# Altium PCB PCB_Amplifier.PcbDoc (part 1 of 2) (continued)
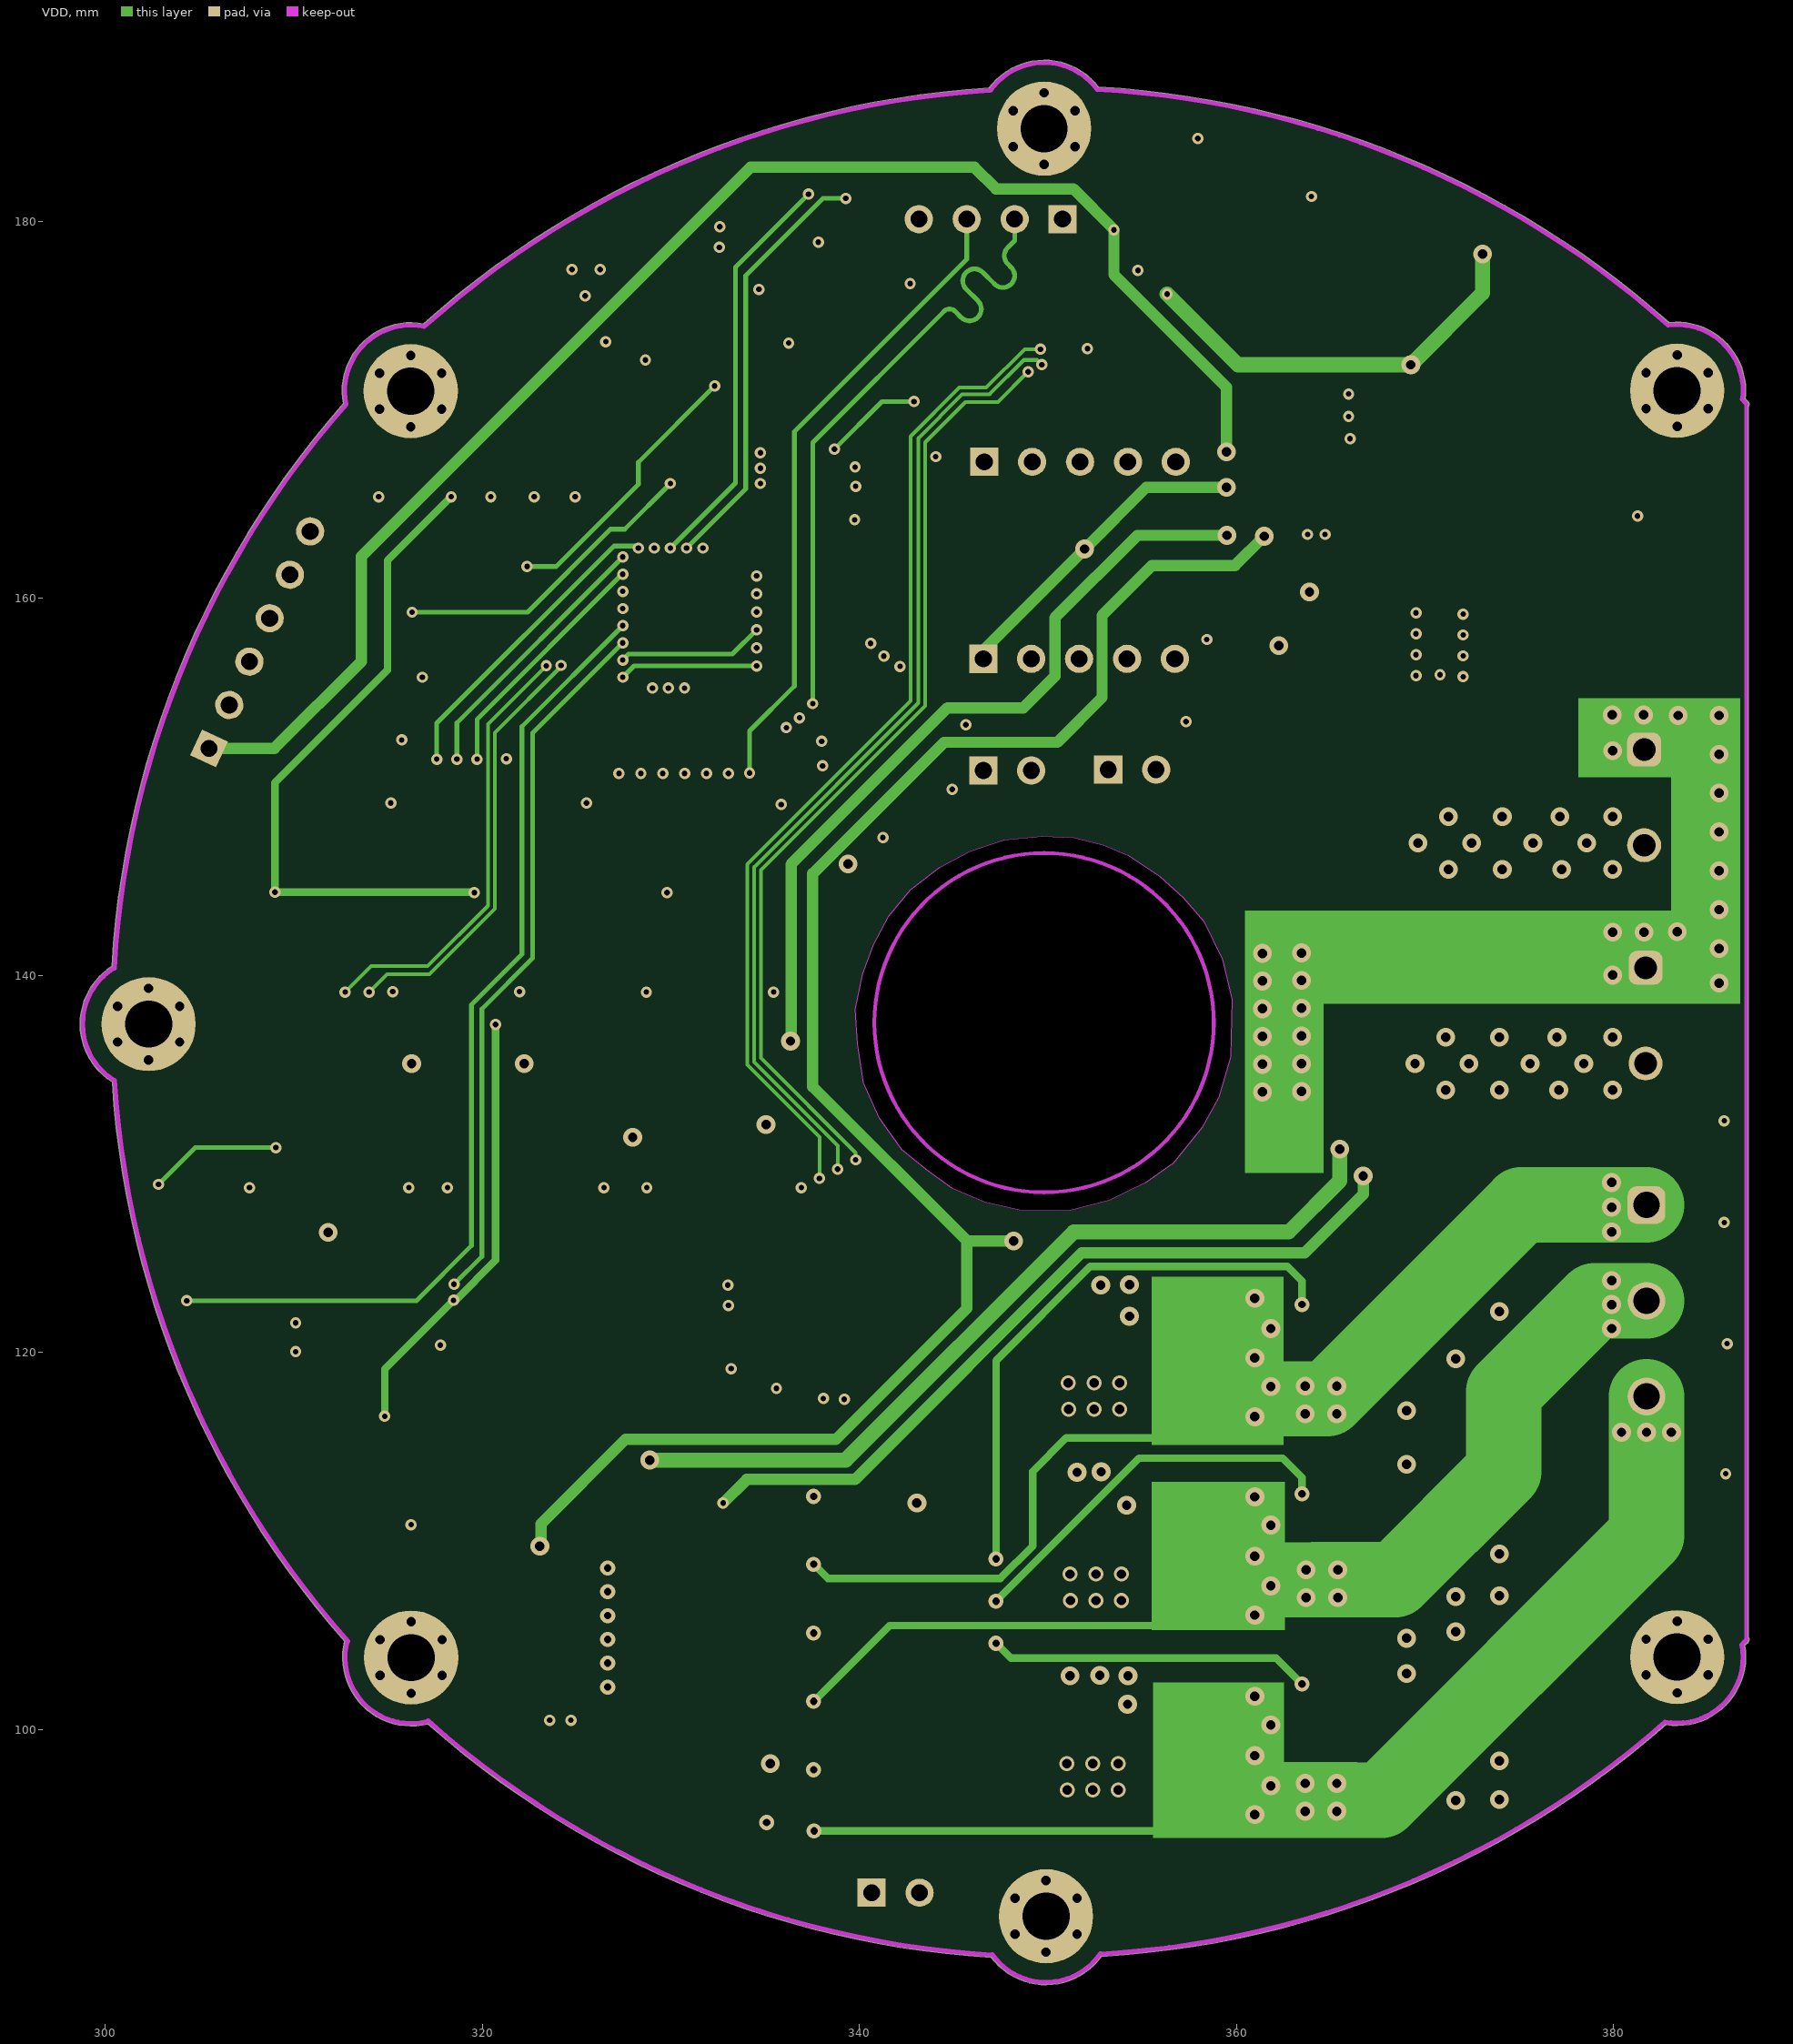
[diagram p3: VDD]

## Layer stack, top to bottom
Top Layer: signal copper 0.0356
Dielectric: core 0.32, FR-4, Dk 4.8
GND: signal copper 0.0356
Dielectric: prepreg 0.32, FR-4, Dk 4.8
VDD: signal copper 0.0356
Dielectric: core 0.32, FR-4, Dk 4.8
Bottom Layer: signal copper 0.0356

## Board outline
317.109,100.307 ccw(c350.02,137.484) 346.997,87.925 ccw(c349.9,90.1) 352.843,87.979 ccw(c349.983,137.549) 382.781,100.272 ccw(c383.375,103.85) 387.002,103.85 ccw(c383.375,103.85) 386.949,104.467 ccw(c349.925,137.55) 387.049,104.579 ccw(c387.048,104.68) 387.148,104.68 387.148,104.691 ccw(c349.925,137.55) 387.158,104.703 ccw(c387.063,104.787) 387.19,104.787 ccw(c387.063,104.787) 387.148,104.881 387.148,170.219 ccw(c387.063,170.313) 387.19,170.313 ccw(c387.063,170.313) 387.158,170.397 ccw(c349.925,137.55) 387.141,170.418 ccw(c387.048,170.379) 387.098,170.466 ccw(c349.925,137.55) 386.978,170.601 ccw(c383.375,171.025) 387.002,171.025 ccw(c383.375,171.025) 382.949,174.627 ccw(c349.925,137.55) 352.684,187.125 ccw(c349.8,184.925) 346.88,187.077 ccw(c349.941,137.519) 316.879,174.563 ccw(c316.2,171) 312.635,170.333 ccw(c349.925,137.55) 300.36,140.49 ccw(c302.3,137.425) 300.377,134.35 ccw(c349.925,137.55) 312.702,104.69 ccw(c316.225,103.825)
cut-out: 349.675,147.4 351.4,147.325 352.925,146.925 354.25,146.375 355.925,145.275 357.175,144.125 358.275,142.875 359.25,140.85 359.75,138.725 359.7,135.7 359.05,133.55 358.175,131.925 356.65,130.05 355.175,129 353.25,128.075 351.175,127.525 348.475,127.55 346.65,127.975 344.95,128.7 343.55,129.7 342.25,130.775 341.075,132.425 340.225,134.325 339.9,136.375 339.775,138.2 340.175,140.05 340.75,141.625 341.575,143.175 342.7,144.55 344.275,145.75 345.875,146.6 347.675,147.2

## Design rules (kind name [scope] priority, off if disabled: settings)
Clearance [All] p1: gap=0.16
PolygonConnect [All] p1: connectstyle=Relief reliefconductorwidth=0.254 reliefentries=4 polygonreliefangle="90 Angle" airgapwidth=0.254
RoutingVias [All] p1: holewidth=0.711 width=1.27 viastyle="Through Hole" minholewidth=0.711 minwidth=1.27 maxholewidth=0.711 maxwidth=1.27
SolderMaskExpansion [All] p1: expansion=0.102
Width [All] p1: maxlimit=4 minlimit=0.2 preferedwidth=0.3
28 further rules are at their usual default settings.

## Classes and differential pairs
component class 电源: C70 C71 C72 C73 C74 C75 C76 C77 Cff Cin Cin1 Cin2 Cout Css D1 D2 D3 FE1 FE2 FE3 FE4 L1 R75 R76 R77 R78 R79 Renb Rent Rfbb Rfbt Ron T1 U1 U2 U3 U4 U5 U6 U7 Vin_I Vin_II
component class H桥驱动部分: C21 C22 C23 C24 C30 C31 C32 C33 C34 C35 C40 C41 C42 C43 C44 C45 C50 C51 C52 C53 C54 C55 Co1 Co2 Co3 Co4 Co5 Co6 D5 D6 D7 D8 D9 D10 D11 Motor Q1 Q2 Q3 Q4 Q5 Q6 R12 R13 R14 R20 R21 R22 R23 R24 R25 R26 R27 R28 R31 R32 R33 R34 R35 R36 R37 R38 R44 R45 R46 R47 R48 R54 R55 R56 R57 R58 R60 Rp4 Rp5 U10 U11 U12 U13 U14 U15 U16 U17
component class 主控芯片: C1 C2 C3 C4 C5 C6 C7 C8 C9 C10 C11 C12 C79 D4 R1 R2 R100 R101 R102 R103 R104 SW tp1 tp2 tp3 U8 U9 Y1
component class 通讯接口: P485 Pcan R3 R4 R5 U26 U27 U28 U29
component class 霍尔传感器以及增量编码器: C60 C61 C62 C63 C64 C65 C66 C67 C91 C92 C93 C94 C95 C96 C97 Hall_Sensor Increase_Encoder MH1 MH2 MH3 MH4 MH5 MH6 MH7 Rp1 Rp2 U18
component class 绝对编码器与抱闸: "Abs Encoder" Brake C151 C152 C153 Q7 R70 R71 R72 R73 R81 Rp3 U19 U20 U21
component class 外接力矩传感器接口: C80 C81 C82 C83 C84 C85 C86 C87 C88 C140 "P torque" R85 R86 R87 R88 R89 R90 R91 R92 R93 R94 R95 R96 R97 R98 R99 U22 U23 U24 U25

## Components (designator, comment, footprint, x,y, rotation, side; value= is the part's Value field where it differs from the comment)
"Abs Encoder" "7pin FFC" "FPC Con 6pin 1mm" 333.65,177.15 r270 top
Brake "Header 2" HDR1X2 340.65,91.35 r0 top
C1 "2.2uF (225) 10% 16V" 0603_C 341.425,152.925 r180 top
C2 "2.2uF (225) 10% 16V" 0603_C 320.475,155.7 r0 top
C3 "2.2uF (225) 10% 16V" 0603_C 326.35,170 r90 top
C4 "6pF (6R0) 0.25pF 50V" 0603_C 327.975,169.975 r90 top
C5 "6pF (6R0) 0.25pF 50V" 0603_C 337.1,169.975 r90 top
C6 "10uF (106) 10% 10V" 0603_C 338.65,169.975 r270 top
C7 "1uF (105) 10% 50V" 0603_C 341.425,160.925 r180 top
C8 "100nF (104) 10% 50V" 0603_C 341.425,154.45 r180 top
C9 "100nF (104) 10% 50V" 0603_C 320.475,154.05 r0 top
C10 "100nF (104) 10% 50V" 0603_C 320.475,161.7 r0 top
C11 "100nF (104) 10% 50V" 0603_C 323.125,170.025 r270 top
C12 "100nF (104) 10% 50V" 0603_C 324.7,170.025 r270 top
C21 "1uF (105) 10% 50V" 0805_C 340.625,110.525 r270 bottom
C22 "1uF (105) 10% 50V" 0805_C 340.625,105.462 r270 bottom
C23 "1uF (105) 10% 50V" 0805_C 340.625,100.4 r270 bottom
C24 "22uF (226) 20% 25V" 0805_C 327.5,112.125 r0 top
C30 "100nF (104) 10% 50V" 1206_C 311.875,130.6 r180 top
C31 "330pF (331) 5% 50V" 0603_C 311.875,127.875 r180 top
C32 "10pF (100) 5% 50V" 0603_C 315.55,130.725 r270 top
C33 "10pF (100) 5% 50V" 0603_C 308.175,130.725 r270 top
C34 "100nF (104) 10% 50V" 1206_C 311.9,146 r180 top
C35 "100nF (104) 10% 50V" 0603_C 306.45,146.325 r90 top
C40 "100nF (104) 10% 50V" 1206_C 322.325,130.6 r180 top
C41 "330pF (331) 5% 50V" 0603_C 322.325,127.875 r180 top
C42 "10pF (100) 5% 50V" 0603_C 325.9,130.675 r270 top
C43 "10pF (100) 5% 50V" 0603_C 318.7,130.675 r270 top
C44 "100nF (104) 10% 50V" 1206_C 322.3,146 r180 top
C45 "100nF (104) 10% 50V" 0603_C 316.875,146.375 r90 top
C50 "100nF (104) 10% 50V" 1206_C 332.775,130.6 r180 top
C51 "330pF (331) 5% 50V" 0603_C 332.85,127.875 r180 top
C52 "10pF (100) 5% 50V" 0603_C 336.275,130.7 r270 top
C53 "10pF (100) 5% 50V" 0603_C 329.2,130.65 r270 top
C54 "100nF (104) 10% 50V" 1206_C 332.725,146 r180 top
C55 "100nF (104) 10% 50V" 0603_C 327.425,146.3 r90 top
C60 "10uF (106) 10% 10V" 0603_C 341.425,162.45 r180 top
C61 "10uF (106) 10% 10V" 0603_C 346.775,159.125 r180 top
C62 "1nF (102) 10% 50V" 0603_C 350.008,159.125 r0 top
C63 "1nF (102) 10% 50V" 0603_C 353.242,159.125 r0 top
C64 "1nF (102) 10% 50V" 0603_C 356.475,159.125 r0 top
C65 "1nF (102) 10% 50V" 0603_C 348.575,169.5 r0 top
C66 "1nF (102) 10% 50V" 0603_C 351.75,169.5 r0 top
C67 "1nF (102) 10% 50V" 0603_C 354.975,169.5 r0 top
C70 "10uF 10% 16V" "Cap Tan 3015" 371.725,176.55 r270 top
C71 "4.7F 10% 50V" 1608[0603] 369.775,175.65 r90 top
C72 "10nF 16V 10%" 1608[0603] 360.375,178.675 r270 top
C73 "220uF 10V" "6.3x5.4 贴片电解电容" 358.95,166.25 r0 top
C74 "10uF 10% 16V" "Cap Tan 3015" 362.95,168.15 r180 bottom
C75 "0.1uF 50V 10%" 1608[0603] 363.075,165.775 r0 bottom
C76 "0.1uF 50V 10%" 1608[0603] 363.1,180.375 r180 bottom
C77 "10uF 10% 16V" "Cap Tan 3015" 362.925,178.125 r0 bottom
C79 "4.7uF (475) 10% 16V" 0603_C 316.975,160.04 r270 top
C80 "100nF (104) 10% 50V" 0603_C 316.5,109.8 r0 top
C81 "47pF (470) 5% 50V" 0603_C 307.4,120.805 r90 top
C82 "330pF (331) 5% 50V" 0603_C 309.175,117.1 r90 top
C83 "330pF (331) 5% 50V" 0603_C 309.2,124.46 r90 top
C84 "1nF (102) 10% 50V" 0603_C 305.425,124.46 r270 top
C85 "47pF (470) 5% 50V" 0603_C 327.4,120.8 r90 top
C86 "330pF (331) 5% 50V" 0603_C 325.55,117.05 r270 top
C87 "330pF (331) 5% 50V" 0603_C 325.475,124.46 r90 top
C88 "1nF (102) 10% 50V" 0603_C 329.2,124.46 r270 top
C91 "1nF (102) 10% 50V" 0603_C 376.7,171.8 r0 top
C92 "1nF (102) 10% 50V" 0603_C 356.1,184.4 r180 top
C93 "1nF (102) 10% 50V" 0603_C 321.925,173.675 r180 top
C94 "1nF (102) 10% 50V" 0603_C 302.825,130.875 r90 top
C95 "1nF (102) 10% 50V" 0603_C 320.225,109.725 r180 top
C96 "1nF (102) 10% 50V" 0603_C 345.425,94.85 r0 top
C97 "1nF (102) 10% 50V" 0603_C 379.85,109 r270 top
C140 "1uF (105) 10% 50V" 0603_C 315.375,154.85 r270 top
C151 "1nF (102) 10% 50V" 0603_C 344.975,118.9 r90 bottom
C152 "1nF (102) 10% 50V" 0603_C 342.875,118.875 r90 bottom
C153 "1uF (105) 10% 50V" 0603_C 347.175,122.1 r90 bottom
Cff "22nF (223) 10% 50V" 0603_C 368.25,169.95 r180 top
Cin "10uF (106) 10% 50V" "Cap 6.3x5.4" 377,156.4 r0 top
Cin1 "12.5x13.5 220uF 63V" "Cap 12.5x13.5" 367.525,143.9 r180 top
Cin2 "12.5x13.5 220uF 63V" "Cap 12.5x13.5" 367.525,130.975 r180 top
Co1 "1nF (102) 10% 50V" 0603_C 385.175,129.325 r180 bottom
Co2 "1nF (102) 10% 50V" 0603_C 385.175,127.725 r180 bottom
Co3 "1nF (102) 10% 50V" 0603_C 385.175,122.725 r180 bottom
Co4 "1nF (102) 10% 50V" 0603_C 385.175,121.175 r180 bottom
Co5 "1nF (102) 10% 50V" 0603_C 385.175,116.725 r180 bottom
Co6 "1nF (102) 10% 50V" 0603_C 385.175,115.225 r180 bottom
Cout "47uF/25V" "6.3x5.4 贴片电解电容" 358.65,160.825 r270 top
Css "4.7nF (472) 10% 50V" 0603_C 372.875,169.75 r180 top
D1 "绿灯 0603" 0603_LED_S1 351.247,175.25 r90 top
D2 "绿灯 0603" 0603_LED_S1 347.436,175.3 r90 top
D3 "绿灯 0603" 0603_LED_S1 343.625,175.225 r90 top
D4 "LED*2" 0603*2 340.45,176.05 r0 top
D5 "M7" SMA(DO-214AC)_S1 335.475,114.2 r180 bottom
D6 "M7" SMA(DO-214AC)_S1 335.475,110.565 r180 bottom
D7 "M7" SMA(DO-214AC)_S1 335.475,106.93 r180 bottom
D8 "M7" SMA(DO-214AC)_S1 335.475,103.295 r180 bottom
D9 "M7" SMA(DO-214AC)_S1 335.475,99.66 r180 bottom
D10 "M7" SMA(DO-214AC)_S1 335.475,96.025 r180 bottom
D11 "红灯 0603" 0603_LED_S1 325.575,98.225 r90 top
FE1 "1Ω (1R00) ±1%" 0603_R 341.4,148.45 r180 top
FE2 "1Ω (1R00) ±1%" 0603_R 341.39,150.1 r0 top
FE3 "1Ω (1R00) ±1%" 0603_R 317.725,154.875 r270 top
FE4 "1Ω (1R00) ±1%" 0603_R 385.475,157.275 r270 top
Hall_Sensor "" HDR1X5 346.575,156.8 r0 top
Increase_Encoder "" HDR1X5 346.625,167.25 r0 top
L1 "22uH" "L 5x5mm" 356.85,174.6 r90 top
MH1 "M2 hole" "M2 Hole" 383.375,171.025 r0 top
MH2 "M2 hole" "M2 Hole" 349.8,184.925 r0 top
MH3 "M2 hole" "M2 Hole" 316.2,171 r0 top
MH4 "M2 hole" "M2 Hole" 302.3,137.425 r0 top
MH5 "M2 hole" "M2 Hole" 316.225,103.825 r0 top
MH6 "M2 hole" "M2 Hole" 349.9,90.1 r0 top
MH7 "M2 hole" "M2 Hole" 383.375,103.85 r0 top
Motor "Header 3" "3P 5mm" 381.75,122.75 r90 top
P485 "Header 2" HDR1X2 353.2,150.925 r0 top
"P torque" "Header 6" HDR1X6 305.5,152.05 r65 bottom
Pcan "Header 2" HDR1X2 346.575,150.875 r0 top
Q1 "IRFR3806PbF" TO-252AA 371.65,119.3 r270 top
Q2 "IRFR3806PbF" TO-252AA 358.225,119.3 r270 top
Q3 "IRFR3806PbF" TO-252AA 371.65,109.225 r270 top
Q4 "IRFR3806PbF" TO-252AA 358.225,109.225 r270 top
Q5 "IRFR3806PbF" TO-252AA 371.65,99.15 r270 top
Q6 "IRFR3806PbF" TO-252AA 358.225,99.15 r270 top
Q7 "MMBT5401 2L" SOT-23(SOT-23-3) 339.675,123.825 r0 bottom
R1 "10KΩ (1002) ±1%" 0603_R 341.39,158.875 r180 top
R2 "10KΩ (1002) ±1%" 0603_R 341.4,166.975 r180 top
R3 "10KΩ (1002) ±1%" 0603_R 341.39,155.9 r0 top
R4 "10KΩ (1002) ±1%" 0603_R 354.425,153.25 r0 top
R5 "0Ω (0R0) ±1%" 0603_R 341.39,151.475 r180 top
R12 "10Ω (10R0) ±1%" 0603_R 329.75,112.55 r0 bottom
R13 "10Ω (10R0) ±1%" 0603_R 329.675,105.225 r0 bottom
R14 "10Ω (10R0) ±1%" 0603_R 329.625,97.925 r0 bottom
R20 "100Ω (1000) ±1%" 0603_R 345.375,109.05 r0 top
R21 "100Ω (1000) ±1%" 0603_R 345.375,102.345 r0 top
R22 "100Ω (1000) ±1%" 0603_R 345.375,106.815 r0 top
R23 "100Ω (1000) ±1%" 0603_R 345.375,100.11 r0 top
R24 "100Ω (1000) ±1%" 0603_R 345.375,104.58 r0 top
R25 "100Ω (1000) ±1%" 0603_R 345.375,97.875 r0 top
R26 "0.01Ω (1000) ±1%" 2512 352.275,120.25 r0 bottom
R27 "0.01Ω (1000) ±1%" 2512 352.275,110.175 r0 bottom
R28 "100Ω (1000) ±1%" 2512 352.275,100.1 r0 bottom
R31 "100Ω (1000) ±1%" 0603_R 385.875,131.525 r270 bottom
R32 "100Ω (1000) ±1%" 0603_R 385.875,125.275 r270 bottom
R33 "100Ω (1000) ±1%" 0603_R 385.875,118.925 r270 bottom
R34 "10Ω (10R0) ±1%" 0603_R 308.425,127.875 r0 top
R35 "10Ω (10R0) ±1%" 0603_R 315.3,127.875 r180 top
R36 "10Ω (10R0) ±1%" 0603_R 310.225,148.45 r180 top
R37 "10Ω (10R0) ±1%" 0603_R 313.625,148.45 r0 top
R38 "10Ω (10R0) ±1%" 0603_R 308.275,146.325 r90 top
R44 "10Ω (10R0) ±1%" 0603_R 318.925,127.875 r0 top
R45 "10Ω (10R0) ±1%" 0603_R 325.7,127.875 r180 top
R46 "10Ω (10R0) ±1%" 0603_R 320.65,148.45 r180 top
R47 "10Ω (10R0) ±1%" 0603_R 324.05,148.45 r0 top
R48 "10Ω (10R0) ±1%" 0603_R 318.65,146.375 r90 top
R54 "10Ω (10R0) ±1%" 0603_R 329.475,127.875 r0 top
R55 "10Ω (10R0) ±1%" 0603_R 336.175,127.875 r180 top
R56 "10Ω (10R0) ±1%" 0603_R 331,148.45 r180 top
R57 "10Ω (10R0) ±1%" 0603_R 334.4,148.45 r0 top
R58 "10Ω (10R0) ±1%" 0603_R 329.15,146.3 r90 top
R60 "2.2KΩ (2201) ±1%" 0603_R 327.6,98.225 r90 top
R70 "100KΩ (1003) ±1%" 0603_R 344.975,125.575 r90 bottom
R71 "4.7KΩ (4701) ±1%" 0603_R 342.825,125.575 r270 bottom
R72 "27KΩ (2702) ±1%" 0603_R 344.975,122.1 r90 bottom
R73 "27KΩ (2702) ±1%" 0603_R 342.875,122.1 r90 bottom
R75 "10K 1%" 1608[0603] 360.125,164.7 r180 top
R76 "3.24k 1%" 1608[0603] 362.975,164.7 r180 top
R77 "1KΩ (1001) ±1%" 0603_R 353.075,175.225 r270 top
R78 "1KΩ (1001) ±1%" 0603_R 349.264,175.275 r270 top
R79 "1KΩ (1001) ±1%" 0603_R 345.453,175.275 r270 top
R81 "220Ω (2200) ±1%" 0603_R 347.35,169.55 r0 bottom
R85 "10KΩ (1002) ±1%" 0603_R 313.05,111.8 r180 top
R86 "10KΩ (1002) ±1%" 0603_R 313.05,109.775 r180 top
R87 "47Ω (47R0) ±1%" 0603_R 313.05,113.85 r180 top
R88 "47KΩ (4702) ±1%" 0603_R 309.275,120.83 r90 top
R89 "11KΩ (1102) ±1%" 0603_R 311.8,121.775 r0 top
R90 "11KΩ (1102) ±1%" 0603_R 311.8,119.825 r0 top
R91 "10KΩ (1002) ±1%" 0603_R 311.8,117.875 r180 top
R92 "10KΩ (1002) ±1%" 0603_R 311.8,123.725 r0 top
R93 "2KΩ (2001) ±1%" 0603_R 307.275,124.425 r270 top
R94 "11KΩ (1102) ±1%" 0603_R 323.15,121.825 r0 top
R95 "11KΩ (1102) ±1%" 0603_R 323.15,119.825 r0 top
R96 "10KΩ (1002) ±1%" 0603_R 323.15,117.825 r180 top
R97 "10KΩ (1002) ±1%" 0603_R 323.15,123.725 r180 top
R98 "47KΩ (4702) ±1%" 0603_R 325.55,120.8 r90 top
R99 "2KΩ (2001) ±1%" 0603_R 327.35,124.425 r270 top
R100 "1KΩ (1001) ±1%" 0603_R 340.325,181.275 r90 top
R101 "82KΩ (8202) ±1%" 0603_R 314.5,163.2 r90 top
R102 "10KΩ (1002) ±1%" 0603_R 316.975,163.2 r270 top
R103 "10KΩ (1002) ±1%" 0603_R 314.5,160.075 r90 top
R104 "1KΩ (1001) ±1%" 0603_R 338.35,181.25 r90 top
Renb "270KΩ (2703) ±1%" 0603_R 372.84,167.675 r0 top
Rent "270KΩ (2703) ±1%" 0603_R 379.2,165.3 r90 top
Rfbb "1.8KΩ (1801) ±1%" 0603_R 372.84,171.85 r180 top
Rfbt "36KΩ (3602) ±1%" 0603_R 368.3,167.75 r180 top
Ron "270KΩ (2703) ±1%" 0603_R 377.425,165.275 r90 top
Rp1 "1KΩ (102) ±5%" 0603_Rx4 349.55,162.65 r0 top
Rp2 "1KΩ (102) ±5%" 0603_Rx4 354.325,162.65 r180 top
Rp3 "1KΩ (102) ±5%" 0603_Rx4 347.3,172.45 r90 bottom
Rp4 "4.7KΩ (472) ±5%" 0603_Rx4 323.85,107.45 r90 top
Rp5 "4.7KΩ (472) ±5%" 0603_Rx4 323.875,103.05 r90 top
SW "Header 4" HDR1X4 350.775,180.125 r180 top
T1 "SS12" "DO214 SS12" 364.425,180.65 r0 top
tp1 "test point" testPoint 321.775,165.425 r0 top
tp2 "test point" testPoint 319.525,165.425 r90 top
tp3 "test point" testPoint 324,165.375 r90 top
U1 "LMZ14201" LMZ14201H 370.825,163.575 r180 top
U2 "TPS5430" SOIC8 364.925,175.65 r0 top
U3 "LM1117-3.3" "SOT-223 LM1117-3.3" 364.375,173.025 r270 bottom
U4 "PSM712-LF-T7" SOT-23(SOT-23-3) 328.4,116.975 r0 top
U5 "PSM712-LF-T7" SOT-23(SOT-23-3) 336.075,177.65 r270 bottom
U6 "PSM712-LF-T7" SOT-23(SOT-23-3) 339.425,146.075 r270 bottom
U7 "PSM712-LF-T7" SOT-23(SOT-23-3) 339.4,146.075 r270 top
U8 "NC7S86" "5Lead SC70" 341.45,164.7 r90 top
U9 "STM32F405RGT6" STM-LQFP64_N 331.125,158.95 r270 top
U10 "IR2130" "28-Lead SOIC(wide body)" 331,111.75 r0 top
U11 "Adum1200" SOP-8 331.625,139.85 r270 bottom
U12 "Adum1200" SOP-8 324.9,139.85 r270 bottom
U13 "Adum1200" SOP-8 318.175,139.85 r270 bottom
U14 "ADUM 1201" SOP-8 311.45,139.85 r270 bottom
U15 "AMC1200-Q1" SOP_4.85mm 311.9,138.325 r90 top
U16 "AMC1200-Q1" SOP_4.85mm 322.325,138.25 r90 top
U17 "AMC1200-Q1" SOP_4.85mm 332.8,138.25 r90 top
U18 "TXB0106" "TSSOP 16PIN" 338.45,162.3 r0 bottom
U19 "TXB0106" "TSSOP 16PIN" 338.45,169.8 r0 bottom
U20 "PSM712-LF-T7" SOT-23(SOT-23-3) 339.8,177.65 r270 bottom
U21 "TQ2SA-5V" TQ2SA 334.275,124.325 r0 top
U22 "TLV2772_D_8" SOP-8 316.25,115.6 r0 top
U23 "TLV2772_D_8" SOP-8 315,122.75 r0 top
U24 "PSM712-LF-T7" SOT-23(SOT-23-3) 313.125,120.85 r180 bottom
U25 "PSM712-LF-T7" SOT-23(SOT-23-3) 335.075,120.85 r0 bottom
U26 "VP230" SOP-8 338.825,149.875 r0 bottom
U27 "SP3485" SOP-8 338.8,156.025 r0 bottom
U28 "PSM712-LF-T7" SOT-23(SOT-23-3) 362.7,151.675 r270 bottom
U29 "PSM712-LF-T7" SOT-23(SOT-23-3) 359.125,151.675 r270 bottom
Vin_I "Header 2" "2P 5mm" 381.7,137.875 r270 top
Vin_II "Header 2" "2P 5mm" 381.625,149.45 r270 top
Y1 "XTAL" "XTAL CPX53GB" 332.5,167.7 r0 top

## Footprints (in the part's own frame and the unit in brackets; to place one, negate y for a bottom-side part, rotate by r counter-clockwise, add the part's x,y. Pads: shape width x height; smd on the part's side, far side on the other; paste and mask are expansions set on the pad)
"2P 5mm" [mm]
  rrect50% 1.8x1.8 hole 1.2: 1(-2.54,0)
  round 1.8 hole 1.2: 2(2.54,0)
  silkscreen extent -5,-5 5,5, body extent -5.32,-5.19 5.33,5.2, height 14.21
"3P 5mm" [mm]
  rrect50% 2x2 hole 1.4: 1(5.08,0)
  round 2 hole 1.4: 2(0,0) 3(-5.08,0)
  silkscreen extent -7.52,-5 7.54,5
"5Lead SC70" [mm] "NC7S86 1.25mm wide"
  rect 0.4x0.5 smd: 1(-0.65,-0.95) 2(0,-0.95) 3(0.65,-0.95) 4(0.65,0.95) 5(-0.65,0.95)
  silkscreen extent -1.4,-1.58 0.92,0.15, body extent -1,-0.6 0.97,0.63, height 1.3
"6.3x5.4 贴片电解电容" [mm]
  rrect50% 2x1.5 smd: 1(0,3.25) 2(6.5,3.25)
  silkscreen extent 0,0 6.5,6.5, body extent -0.05,0.05 6.45,6.55, height 8
"28-Lead SOIC(wide body)" [mm] "IR2136STRPBF 三相驱动桥"
  rect 2x0.6 smd: 1(0,0) 2(0,-1.27) 3(0,-2.54) 4(0,-3.81) 5(0,-5.08) 6(0,-6.35) 7(0,-7.62) 8(0,-8.89) 9(0,-10.16) 10(0,-11.43) 11(0,-12.7) 12(0,-13.97) 13(0,-15.24) 14(0,-16.51) 15(9.675,-16.51) 16(9.675,-15.24) 17(9.675,-13.97) 18(9.675,-12.7) 19(9.675,-11.43) 20(9.675,-10.16) 21(9.675,-8.89) 22(9.675,-7.62) 23(9.675,-6.35) 24(9.675,-5.08) 25(9.675,-3.81) 26(9.675,-2.54) 27(9.675,-1.27) 28(9.675,0)
  silkscreen extent 1.05,-17.47 8.55,0.63, body extent -0.5,-17.27 10,0.73, height 2.5
0603*2 [mm] "˫ɫLED"
  rect 0.7x0.93 smd: 1(1,0) 2(0,0) 3(1,-1.54) 4(0,-1.54)
  silkscreen extent -0.6,-2.75 1.55,-2.45, body extent -0.4,-1.57 1.4,0.03, height 0.6
0603_C [mm]
  rect 0.93x0.98 smd: 1(-0.77,0) 2(0.77,0)
  silkscreen extent -1.33,-0.69 1.34,0.69, body extent -0.8,-0.4 0.8,0.4, height 0.3
0603_LED_S1 [mm]
  rect 0.93x0.98 smd: A(0.77,0) K(-0.77,0)
  silkscreen extent -1.98,-0.79 1.54,0.79, body extent -0.8,-0.4 0.8,0.4, height 0.6
0603_R [mm]
  rect 0.93x0.98 smd: 1(-0.77,0) 2(0.77,0)
  silkscreen extent -1.3,-0.6 1.3,0.6, body extent -0.85,-0.4 0.85,0.4, height 0.56
0603_Rx4 [mm]
  rect 0.75x0.8 smd mask+0.051: 1(-1.35,-0.77) 4(1.35,-0.77) 5(1.35,0.77) 8(-1.35,0.77)
  rect 0.58x0.8 smd mask+0.051: 2(-0.4,-0.77) 3(0.4,-0.77) 6(0.4,0.77) 7(-0.4,0.77)
  silkscreen extent -2.02,-1.47 2.02,1.47, body extent -1.6,-0.8 1.6,0.8, height 0.55
0805_C [mm]
  rect 1.16x1.47 smd: 1(-0.89,0) 2(0.89,0)
  silkscreen extent -1.77,-1.04 1.77,1.04, body extent -1,-0.63 1,0.63, height 0.77
1206_C [mm]
  rect 1.13x1.8 smd: 1(-1.49,0) 2(1.49,0)
  silkscreen extent -2.36,-1.2 2.35,1.2, body extent -1.6,-0.81 1.6,0.79, height 1
1608[0603] [mm] "Chip Capacitor, Body 1.6x0.8mm, IPC High Density"
  rect 0.8x0.9 smd: 1(-0.7,0) 2(0.7,0)
  body extent -0.87,-0.48 0.87,0.48, height 1.3
2512 [mm]
  rect 3.4x2 smd: 1(-0.101,-2.667) 2(-0.101,2.933)
  silkscreen extent -2.1,-2.67 1.9,3.03, body extent -1.6,-2.77 1.4,3.23, height 0.5
"Cap 6.3x5.4" [mm] "贴片电解电容"
  rrect50% 2x1.5 smd: 1(0,3.25) 2(6.5,3.25)
  silkscreen extent 0,0 6.5,6.5, body extent -0.05,0.05 6.45,6.55, height 8
"Cap 12.5x13.5" [mm] "SMD Aluminum Electrolytic Cap"
  rrect50% 4x3 smd: 1(-5.95,0) 2(5.75,0)
  silkscreen extent -6,-6 6,6, body extent -4.15,-4.15 4.15,4.15, height 10.5
"Cap Tan 3015" [mm]
  rrect50% 1.2x1.6 smd: 1(-1.8,0)
  rect 1.2x1.6 smd: 2(1.8,0)
  silkscreen extent -2.85,-1 -2.85,0.87
"DO214 SS12" [mm] "二极管 SS14"
  rect 1.6x2 smd: 1(0,0) 2(4.325,0)
  silkscreen extent 4.91,-1.8 5.65,1.83, body extent -0.45,-1.3 4.75,1.3, height 2.4
"FPC Con 6pin 1mm" [mm] "立式插座"
  rect 2.5x0.6 smd: 1(-0.325,0) 2(3.15,-1) 3(-0.325,-2) 4(3.15,-3) 5(-0.325,-4) 6(3.15,-5)
  rect 5x3 smd: 7(1.425,3.225) 7(1.475,-8.025)
  body extent -1.63,-9 4.43,4, height 5.7
HDR1X2 [mm] "Connector; Header; 2 Position"
  rect 1.5x1.5 hole 0.9: 1(0,0)
  round 1.5 hole 0.9: 2(2.54,0)
  silkscreen extent -1.27,-1.27 3.81,1.27
HDR1X4 [mm] "Connector; Header; 4 Position"
  rect 1.5x1.5 hole 0.9: 1(0,0)
  round 1.5 hole 0.9: 2(2.54,0) 3(5.08,0) 4(7.62,0)
  silkscreen extent -1.27,-1.27 8.89,1.27
HDR1X5 [mm] "Connector; Header; 5 Position"
  rect 1.5x1.5 hole 0.9: 1(0,0)
  round 1.5 hole 0.9: 2(2.54,0) 3(5.08,0) 4(7.62,0) 5(10.16,0)
  silkscreen extent -1.27,-1.27 11.43,1.27
HDR1X6 [mm] "Connector; Header; 6 Position"
  rect 1.5x1.5 hole 0.9: 1(0,0)
  round 1.5 hole 0.9: 2(2.54,0) 3(5.08,0) 4(7.62,0) 5(10.16,0) 6(12.7,0)
  silkscreen extent -1.27,-1.27 13.97,1.27
"L 5x5mm" [mm] "5x5mm电感"
  rect 1.4x4.5 smd: 1(-0.05,0.025) 2(5,0)
  silkscreen extent -0.95,-2.7 5.9,2.75, body extent -0.48,-2.4 5.38,2.37, height 3.6
LMZ14201H [mm] "LMZ14201H 1A SIMPLE SWITCHER,Power Module for High Output Voltage"
  rect 0.89x3.06 smd: 1(-3.81,0) 2(-2.54,0) 3(-1.27,0) 4(0,0) 5(1.27,0) 6(2.54,0) 7(3.81,0)